# Altium PCB BMS028B.PcbDoc (part 1 of 4) (continued)
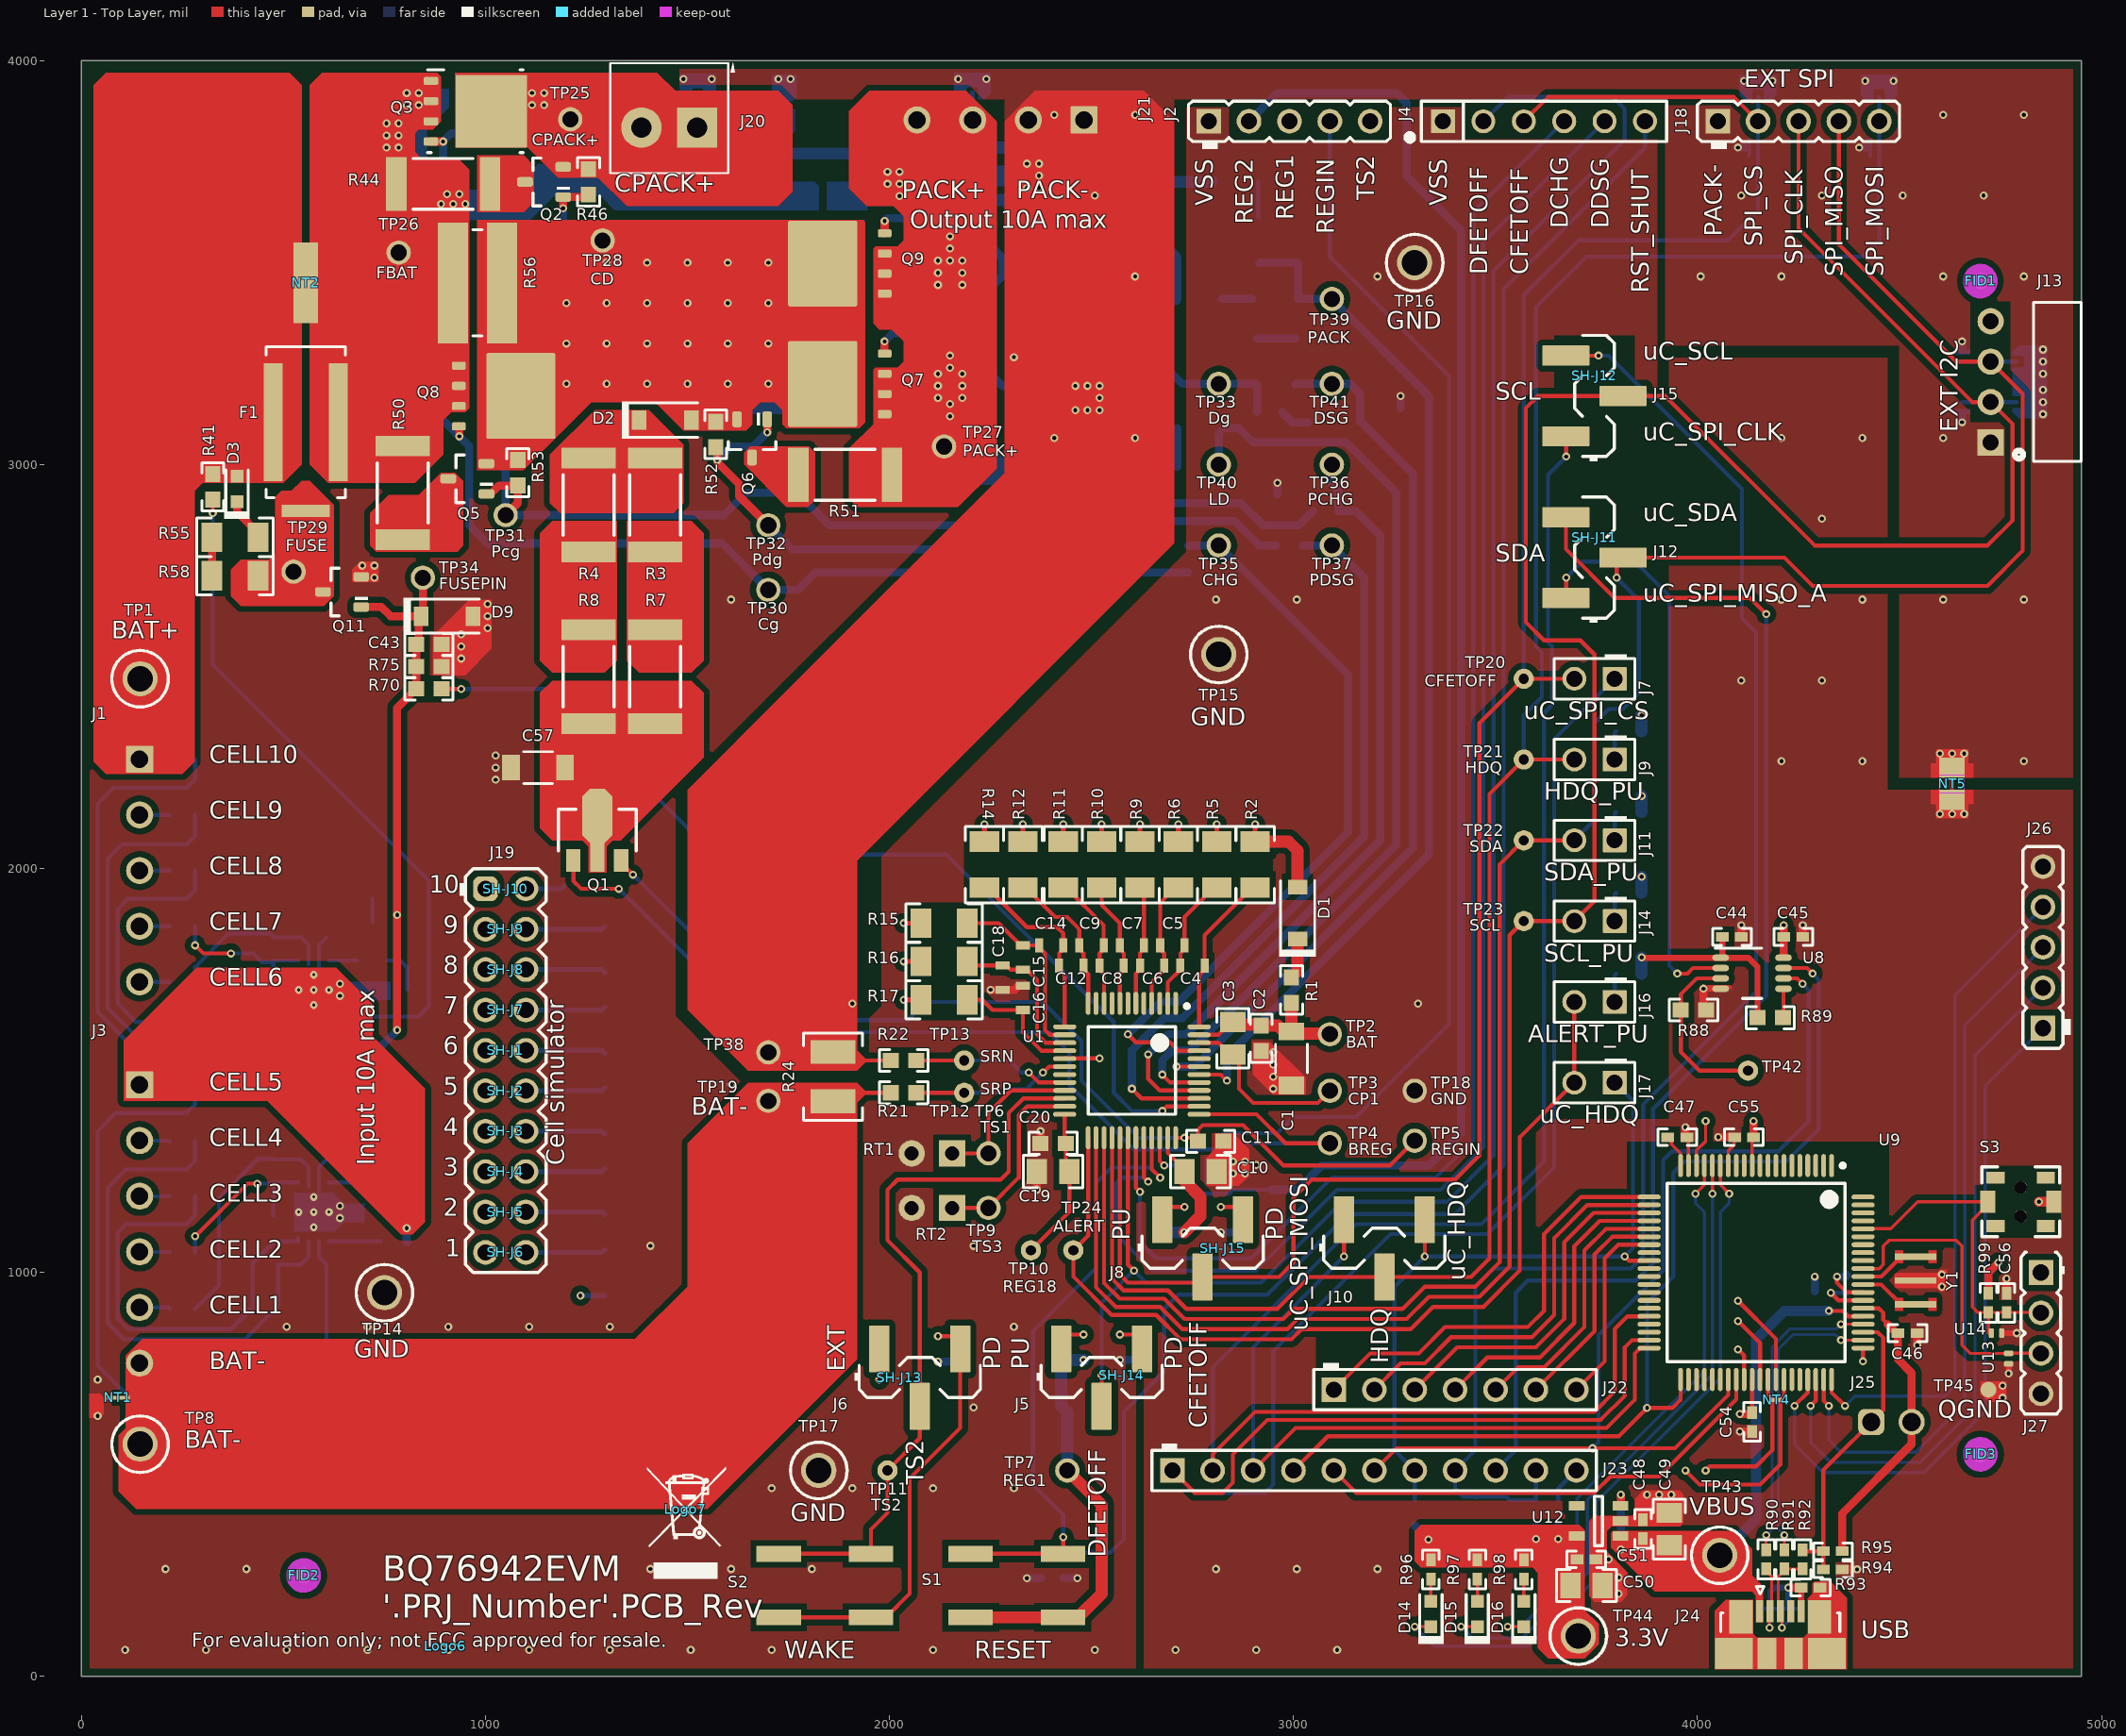
[diagram p0: Layer 1 - Top Layer view]
## Design rules (kind name [scope] priority, off if disabled: settings) (continued)
RoutingVias ThermalPadVias [IsVia and InAnyComponent] p1: holewidth=7.87 width=19.68 viastyle="Through Hole" minholewidth=7.87 minwidth=19.68 maxholewidth=12.99 maxwidth=23.62
RoutingVias [All] p2: holewidth=16 width=34 viastyle="Through Hole" minholewidth=7.87 minwidth=20 maxholewidth=40 maxwidth=65
SilkToBoardRegionClearance [Not ((IsComment or IsDesignator) And (Hide <> 'False')) and not InRegion(1000,500,4000,800)] p1:
SilkToSilkClearance SilkToSilkClearance_Pb-FreeLogo [(HasFootprint('Pb-Free_Overlay_Medium') OR HasFootprint('Pb-Free_Overlay_Small')) vs (HasFootprint('Pb-Free_Overlay_Medium') OR HasFootprint('Pb-Free_Overlay_Small'))] p1: silktosilkclearance=0
SilkToSilkClearance [All] p2: silktosilkclearance=3.9
SilkToSolderMaskClearance SilkToComponentPadClearance [(IsPad or IsFill or IsRegion) and InAnycomponent] p1: minsilkscreentomaskgap=5 clearancetoexposedcopper=TRUE
SilkToSolderMaskClearance "Silk to Solder Mask Opening" [All] p2: minsilkscreentomaskgap=3.94 clearancetoexposedcopper=FALSE
SolderMaskExpansion [All] p1: expansion=1.97
Width [All] p1: maxlimit=100 minlimit=6 preferedwidth=10 checkconnectedcopper=TRUE
15 further rules are at their usual default settings.

## Classes and differential pairs
component class AssemblyNote: ZZ1 ZZ2 ZZ3
component class FiducialMark: FID1 FID2 FID3 FID4 FID5 FID6
component class BMS028B_Hardware: FID1 FID2 FID3 FID4 FID5 FID6 H1 H2 H3 H4 LOGO5 Logo6 Logo7 SH-J1 SH-J2 SH-J3 SH-J4 SH-J5 SH-J6 SH-J7 SH-J8 SH-J9 SH-J10 SH-J11 SH-J12 SH-J13 SH-J14 SH-J15 ZZ1 ZZ2 ZZ3
component class BMS028B_FETs: C23 C24 C25 C26 C27 C28 C29 C30 C31 C32 C33 C34 C35 C36 C37 C38 C39 C40 C41 C42 C43 D3 D4 D5 D6 D7 D8 D9 D10 D11 D12 D13 E5 E6 F1 J20 J21 NT2 Q2 Q3 Q4 Q5 Q6 Q7 Q8 Q9 Q10 Q11 R41 R42 R43 R44 R45 R46 R47 R48 R49 R50 R51 R52 R53 R54 R55 R56 R57 R58 R59 R60 R61 R62 R63 R64 R65 R66 R67 R68 R69 R70 R71 R72 R73 R74 R75 R76 R77 R78 R79 R80 R81 R82 R83 R84 TP25 TP26 TP27 TP28 TP29 TP30 TP31 TP32 TP33 TP34 TP35 TP36 TP37 TP38 TP39 TP40 TP41 U6 U7
component class BMS028B_Interface: C44 C45 C46 C47 C48 C49 C50 C51 C52 C53 C54 C55 C56 D14 D15 D16 J22 J23 J24 J25 J26 J27 NT3 NT4 NT5 R85 R86 R87 R88 R89 R90 R91 R92 R93 R94 R95 R96 R97 R98 R99 S3 TP42 TP43 TP44 TP45 U8 U9 U10 U11 U12 U13 U14 Y1
component class BMS028B_Monitor: C1 C2 C3 C4 C5 C6 C7 C8 C9 C10 C11 C12 C13 C14 C15 C16 C17 C18 C19 C20 C21 C22 C57 D1 D2 J1 J2 J3 J4 J5 J6 NT1 Q1 R1 R2 R3 R4 R5 R6 R7 R8 R9 R10 R11 R12 R13 R14 R15 R16 R17 R18 R19 R20 R21 R22 R23 R24 RT1 RT2 S1 S2 TP1 TP2 TP3 TP4 TP5 TP6 TP7 TP8 TP9 TP10 TP11 TP12 TP13 TP14 TP15 TP16 TP17 TP18 TP19 U1
component class BMS028B_PinConfig: E1 E2 E3 E4 J7 J8 J9 J10 J11 J12 J13 J14 J15 J16 J17 J18 J19 R25 R26 R27 R28 R29 R30 R31 R32 R33 R34 R35 R36 R37 R38 R39 R40 TP20 TP21 TP22 TP23 TP24 U2 U3 U4 U5
component class Header: J2 J4 J5 J6 J7 J8 J9 J10 J11 J12 J14 J15 J16 J17 J18 J19 J22 J23 J25 J26 J27
component class Shunt: SH-J1 SH-J2 SH-J3 SH-J4 SH-J5 SH-J6 SH-J7 SH-J8 SH-J9 SH-J10 SH-J11 SH-J12 SH-J13 SH-J14 SH-J15

## Components (designator, comment, footprint, x,y, rotation, side; value= is the part's Value field where it differs from the comment)
C1 "C3216X7R2A105K160AA" 1206_180 2995,1530 r270 top value=1uF
C2 "GCM1885C2A101JA16D" 0603 2920,1580 r270 top value=100pF
C3 "GCM219R71E474KA55D" 0805_HV 2850,1580 r270 top value=0.47uF
C4 "C1608X7R1H224K080AB" 0603S 2750,1760 r180 top value=0.22uF
C5 "C1608X7R1H224K080AB" 0603S 2700,1810 r180 top value=0.22uF
C6 "C1608X7R1H224K080AB" 0603S 2650,1760 r180 top value=0.22uF
C7 "C1608X7R1H224K080AB" 0603S 2600,1810 r180 top value=0.22uF
C8 "C1608X7R1H224K080AB" 0603S 2550,1760 r180 top value=0.22uF
C9 "C1608X7R1H224K080AB" 0603S 2500,1810 r180 top value=0.22uF
C10 "EMK212B7105KG-T" 0805_HV 2770,1250 r180 top value=1uF
C11 "C0603C223K4RACTU" 0603 2795,1325 r180 top value=0.022uF
C12 "C1608X7R1H224K080AB" 0603S 2450,1760 r180 top value=0.22uF
C13 "EMK212B7105KG-T" 0805_HV 2765,1250 r180 bottom value=1uF
C14 "C1608X7R1H224K080AB" 0603S 2400,1810 r180 top value=0.22uF
C15 "C1608X7R1H224K080AB" 0603S 2330,1780 r270 top value=0.22uF
C16 "C1608X7R1H224K080AB" 0603S 2330,1680 r90 top value=0.22uF
C17 "885012206040" 0603 2430,275 r270 bottom value=0.01uF
C18 "C1608X7R1H224K080AB" 0603S 2280,1730 r270 top value=0.22uF
C19 "EMK212B7225KG-T" 0805_HV 2405,1250 r0 top value=2.2uF
C20 "885012206040" 0603 2405,1320 r180 top value=0.01uF
C21 "C0603C101J5GACTU" 0603 2305,1485 r270 bottom value=100pF
C22 "885012206095" 0603 2250,1485 r90 bottom value=0.1uF
C23 "GCJ188R72A104KA01D" 0603 920,3905 r0 bottom value=0.1uF
C24 "GCJ188R72A104KA01D" 0603 1040,3905 r0 bottom value=0.1uF
C25 "885012206095" 0603 575,1570 r0 bottom value=0.1uF
C26 "885012206095" 0603 455,1570 r0 bottom value=0.1uF
C27 "885012206095" 0603 680,1665 r270 bottom value=0.1uF
C28 "885012206095" 0603 475,1660 r270 bottom value=0.1uF
C29 "GCJ188R72A104KA01D" 0603 1650,3834 r180 bottom value=0.1uF
C30 "885012206095" 0603 475,1800 r270 bottom value=0.1uF
C31 "GCJ188R72A104KA01D" 0603 1740,3890 r270 bottom value=0.1uF
C32 "GCJ188R72A104KA01D" 0603 1835,3660 r180 bottom value=0.1uF
C33 "GCJ188R72A104KA01D" 0603 1955,3660 r180 bottom value=0.1uF
C34 "885012206095" 0603 575,1830 r180 bottom value=0.1uF
C35 "GCJ188R72A104KA01D" 0603 2215,3748.49 r90 bottom value=0.1uF
C36 "885012206095" 0603 575,1020 r0 bottom value=0.1uF
C37 "GCJ188R72A104KA01D" 0603 2305,3715 r180 bottom value=0.1uF
C38 "885012206095" 0603 455,1020 r0 bottom value=0.1uF
C39 "885012206095" 0603 680,1115 r270 bottom value=0.1uF
C40 "885012206095" 0603 475,1110 r270 bottom value=0.1uF
C41 "885012206095" 0603 475,1250 r270 bottom value=0.1uF
C42 "885012206095" 0603 575,1280 r180 bottom value=0.1uF
C43 "885012206095" 0603 860,2555 r180 top value=0.1uF
C44 "885012205037" 0402 4085,1831 r180 top value=0.1uF
C45 "885012205037" 0402 4237,1831 r180 top value=0.1uF
C46 "885012205037" 0402 4520,850 r0 top value=0.1uF
C47 "Capacitor" 0402 3950,1335 r0 top value=0.47uF
C48 "885012205037" 0402 3865,365 r90 top value=0.1uF
C49 "CL21A106KOQNNNG" 0805_HV 3930,365 r90 top value=10uF
C50 "CL21A106KOQNNNG" 0805_HV 3725,225 r0 top value=10uF
C51 "885012205037" 0402 3725,290 r0 top value=0.1uF
C52 "885012205037" 0402 4290,930 r90 bottom value=0.1uF
C53 "Capacitor" 0402 4370,970 r90 bottom value=0.47uF
C54 "885012205037" 0402 4135,630 r270 top value=0.1uF
C55 "Capacitor" 0402 4115,1335 r180 top value=0.47uF
C56 "885012205008" 0402 4765,925 r90 top value=2200pF
C57 "C3216X7R2A105K160AA" 1206_180 1130,2250 r180 top value=1uF
D1 "BAT46W-7-F" SOD-123 3010,1890 r90 top value=100V
D2 "BAT46W-7-F" SOD-123 1445,3110 r0 top value=100V
D3 "150060RS75000" WL-SMCW_RED 385,2940 r90 top value=Red
D4 "MMSZ5246B-7-F" SOD-123 885,3830 r180 bottom value=16V
D5 "MMSZ5246B-7-F" SOD-123 2215,3470 r180 bottom value=16V
D6 "MMSZ5246B-7-F" SOD-123 2215,3195 r180 bottom value=16V
D7 "BAS40W-7-F" SOT-323 725,1315 r90 bottom value=40V
D8 "1N4148W-7-F" SOD-123 2480,3230 r270 bottom value=100V
D9 "MMSZ4697T1G" SOD-123 905,2625 r0 top value=10V
D10 "BAT46W-7-F" SOD-123 3100,3110 r180 bottom value=100V
D11 "BAT46W-7-F" SOD-123 3265,3075 r90 bottom value=100V
D12 "BAT46W-7-F" SOD-123 3010,3565 r90 bottom value=100V
D13 "BAT46W-7-F" SOD-123 2960,2990 r270 bottom value=100V
D14 "150060VS75000" WL-SMCW_GREEN 3340,155 r90 top value=Green
D15 "150060VS75000" WL-SMCW_GREEN 3455,155 r90 top value=Green
D16 "150060VS75000" WL-SMCW_GREEN 3570,155 r90 top value=Green
E1 "Spark Gap" SPARK_GAP2 4150,3930 r0 bottom
E2 "Spark Gap" SPARK_GAP2 4810,3155 r270 bottom
E3 "Spark Gap" SPARK_GAP2 4450,3930 r0 bottom
E4 "Spark Gap" SPARK_GAP2 4810,3255 r270 bottom
E5 "Spark Gap" SPARK_GAP2 1525,3932 r0 bottom
E6 "Spark Gap" SPARK_GAP2 2205,3935 r0 bottom
F1 "SFK-3030" FUSE_SFK-xx30x 555,3105 r90 top
FID1 "Fiducial" Fiducial10-20 4700,3454.34 r0 top
FID2 "Fiducial" Fiducial10-20 550,250 r0 top
FID3 "Fiducial" Fiducial10-20 4700,550 r0 top
FID4 "Fiducial" Fiducial10-20 550,250 r180 bottom
FID5 "Fiducial" Fiducial10-20 4700,3454.34 r180 bottom
FID6 "Fiducial" Fiducial10-20 4700,550 r180 bottom
H1 "SJ-5303 (CLEAR)" Bumpon_SJ5003Transparent 250,3750 r180 bottom
H2 "SJ-5303 (CLEAR)" Bumpon_SJ5003Transparent 4700,3750 r180 bottom
H3 "SJ-5303 (CLEAR)" Bumpon_SJ5003Transparent 250,250 r180 bottom
H4 "SJ-5303 (CLEAR)" Bumpon_SJ5003Transparent 4700,250 r180 bottom
J1 "OSTTE050161" FP-OSTTE050161_HDR5-MFG 140,1995 r270 top
J2 "PEC05SAAN" Sullins_PxC05SAAN 2990,3850 r0 top
J3 "OSTTE060161" FP-OSTTE060161_HDR6-MFG 140,1120 r270 top
J4 "PEC06SAAN" Sullins_PEC06SAAN 3620,3850 r0 top
J5 "87898-0304" Molex_87898-0304 2525,740 r0 top
J6 "87898-0304" Molex_87898-0304 2075,740 r0 top
J7 "PEC02SAAN" CONN_PEC02SAAN 3745,2470 r180 top
J8 "87898-0304" Molex_87898-0304 2775,1060 r0 top
J9 "PEC02SAAN" CONN_PEC02SAAN 3745,2270 r180 top
J10 "87898-0304" Molex_87898-0304 3225,1060 r0 top
J11 "PEC02SAAN" CONN_PEC02SAAN 3745,2070 r180 top
J12 "87898-0304" Molex_87898-0304 3745,2770 r90 top
J13 "22/05/3041" CONN_22-05-3041 4950,3205 r90 top
J14 "PEC02SAAN" CONN_PEC02SAAN 3745,1870 r180 top
J15 "87898-0304" Molex_87898-0304 3745,3170 r90 top
J16 "PEC02SAAN" CONN_PEC02SAAN 3745,1670 r180 top
J17 "PEC02SAAN" CONN_PEC02SAAN 3745,1470 r180 top
J18 "PEC05SAAN" Sullins_PxC05SAAN 4250,3850 r0 top
J19 "PEC10DAAN" SULLINS_PEC10DAAN 1050,1500 r0 top
J20 "ED555/2DS" TERM_BLK_ED555-2DS 1524.01,3834.5 r180 top
J21 "OSTTE040161" FP-OSTTE040161_HDR4-MFG 2275.01,3857.5 r180 top
J22 "PBC07SAAN" Sullins_xxC07SAAN 3400,710 r0 top
J23 "PBC11SAAN" Sullins_xxC11SAAN 3200,510 r0 top
J24 "CONN_USB_5Pos-6Shld" Molex_47346-1001 4205,0 r0 top
J25 "61300211121" WURTH_61300211121 4480,630 r0 top
J26 "PEC05SAAN" Sullins_PxC05SAAN 4855,1805 r90 top
J27 "22284043" Molex_0022284043 4850,850 r270 top
Logo6 "FCC disclaimer" FCC_disclaimer 900,75 r0 top
Logo7 "WEEE logo" WEEE_Minimum 1495.16,414.26 r0 top
NT1 "Net-Tie" Net-Tie_10milWide_30milLong 90,690 r0 top net-tie
NT2 "Net-Tie" Net-Tie_50milWide_30milLong 555,3450 r180 top net-tie
NT3 "Net-Tie" Net-Tie_10mil 3450,445 r0 bottom net-tie
NT4 "Net-Tie" Net-Tie_10mil 4195,685 r0 top net-tie
NT5 "Net-Tie" Net-Tie_0805_HV_NoOverlay 4630,2210 r90 top net-tie
Q1 "FCX495TA" SOT-89-3 1276.65,2095 r90 top value="150 V"
Q2 "ZXMP10A13FTA" SOT-23 1145,3700 r180 top value=-100V
Q3 "CSD19534Q5A" DQJ0008A 975,3875 r0 top value=100V
Q4 "MMBTA56LT1G" SOT-23 720,1820 r90 bottom value="80 V"
Q5 "ZXMP10A13FTA" SOT-23 955,2965 r180 top value=-100V
Q6 "ZXMP10A13FTA" SOT-23 1660,3065 r270 top value=-100V
Q7 "CSD19532Q5B" DNK0008A 1877,3200 r180 top value=100V
Q8 "CSD19532Q5B" DNK0008A 1045,3170 r0 top value=100V
Q9 "CSD19532Q5B" DNK0008A 1877,3498 r180 top value=100V
Q10 "MOSFET_N_D3G1S2" SOT-323 2215,3365 r90 bottom value=60V
Q11 "PMV213SN,215" SOT-23 645,2685 r180 top value=100V
R1 "Resistor" 0603 2995,1699.19 r90 top value=100
R2 "CRCW120620R0FKEA" 1206 2905,2010 r270 top value=20.0
R3 "CRCW2512150RJNEG" 2512 1420,2900 r90 top value=150
R4 "CRCW2512150RJNEG" 2512 1255,2900 r90 top value=150
R5 "CRCW120620R0FKEA" 1206 2810,2010 r270 top value=20.0
R6 "CRCW120620R0FKEA" 1206 2715,2010 r270 top value=20.0
R7 "CRCW2512150RJNEG" 2512 1420,2475 r90 top value=150
R8 "CRCW2512150RJNEG" 2512 1255,2475 r90 top value=150
R9 "CRCW120620R0FKEA" 1206 2620,2010 r270 top value=20.0
R10 "CRCW120620R0FKEA" 1206 2525,2010 r270 top value=20.0
R11 "CRCW120620R0FKEA" 1206 2430,2010 r270 top value=20.0
R12 "CRCW120620R0FKEA" 1206 2330,2010 r270 top value=20.0
R13 "CRCW06030000Z0EA" 0603 2795,1345 r0 bottom value=0
R14 "CRCW120620R0FKEA" 1206 2235,2010 r270 top value=20.0
R15 "CRCW120620R0FKEA" 1206 2135,1865 r0 top value=20.0
R16 "CRCW120620R0FKEA" 1206 2135,1770 r0 top value=20.0
R17 "CRCW120620R0FKEA" 1206 2135,1675 r0 top value=20.0
R18 "CRCW060310K0JNEA" 0603 2375,275 r270 bottom value=10k
R19 "CRCW060310K0JNEA" 0603 2425,815 r90 bottom value=10k
R20 "CRCW0603100KJNEA" 0603 2625.01,815.01 r90 bottom value=100k
R21 "Resistor" 0603 2035,1445 r0 top value=100
R22 "Resistor" 0603 2035,1525 r0 top value=100
R23 "CRCW060310K0JNEA" 0603 2175,810.87 r90 bottom value=10k
R24 "Resistor" 1210M 1860,1485 r270 top value=0.001
R25 "CRCW060310K0JNEA" 0603 2675,1130.87 r90 bottom value=10k
R26 "CRCW0603100KJNEA" 0603 2875,1130.87 r90 bottom value=100k
R27 "CRCW060310K0JNEA" 0603 3830,2340 r180 bottom value=10k
R28 "CRCW060310K0JNEA" 0603 3830,2140 r180 bottom value=10k
R29 "CRCW060310K0JNEA" 0603 3830,1940 r180 bottom value=10k
R30 "CRCW1206200RFKEA" 1206 1195,1900 r90 bottom value=200
R31 "CRCW060310K0JNEA" 0603 3830,1740 r180 bottom value=10k
R32 "CRCW1206200RFKEA" 1206 1295,1800 r90 bottom value=200
R33 "CRCW1206200RFKEA" 1206 1195,1700 r90 bottom value=200
R34 "CRCW1206200RFKEA" 1206 1295,1600 r90 bottom value=200
R35 "CRCW1206200RFKEA" 1206 1195,1500 r90 bottom value=200
R36 "CRCW1206200RFKEA" 1206 1295,1400 r90 bottom value=200
R37 "CRCW1206200RFKEA" 1206 1195,1300 r90 bottom value=200
R38 "CRCW1206200RFKEA" 1206 1295,1200 r90 bottom value=200
R39 "CRCW1206200RFKEA" 1206 1195,1100 r90 bottom value=200
R40 "CRCW1206200RFKEA" 1206 1295,1000 r90 bottom value=200
R41 "Resistor" 0603 325,2945 r270 top value=100
R42 "Resistor" 0603 250,2270 r0 bottom value=1.0k
R43 "Resistor" 0603 250,2132.8 r0 bottom value=1.0k
R44 "CRCW25124K70JNEG" 2512 895,3695 r0 top value=4.7k
R45 "Resistor" 0603 250,1995 r0 bottom value=1.0k
R46 "Resistor" 0603 1255,3700 r270 top value=10Meg
R47 "Resistor" 0603 250,1857.2 r0 bottom value=1.0k
R48 "Resistor" 0603 250,1719.41 r0 bottom value=1.0k
R49 "CRCW060320K0JNEA" 0603 775,1700 r0 bottom value=20k
R50 "CRCW25123K90JNEG" 2512 795,2930 r270 top value=3.9k
R51 "CRCW25123K90JNEG" 2512 1890,2975 r0 top value=3.9k
R52 "Resistor" 0603 1570,3075 r270 top value=10Meg
R53 "Resistor" 0603 1080,2980 r270 top value=10Meg
R54 "CRCW060336K0JNEA" 0603 750,1925 r0 bottom value=36k
R55 "CRCW12063K90JNEA" 1206 380,2820 r0 top value=3.9k
R56 "Resistor" 2512_WIDE_VISHAY 980,3450 r0 top value=0
R57 "Resistor" 0603 775,1075 r180 bottom value=100
R58 "CRCW12063K90JNEA" 1206 380,2725 r180 top value=3.9k
R59 "Resistor" 0603 865,3755 r0 bottom value=10Meg
R60 "Resistor" 0603 2215,3545 r0 bottom value=10Meg
R61 "Resistor" 0603 2215,3270 r0 bottom value=10Meg
R62 "Resistor" 0603 250,1464.49 r0 bottom value=1.0k
R63 "Resistor" 0603 715,1225 r0 bottom value=5.1k
R64 "Resistor" 0603 250,1325 r0 bottom value=1.0k
R65 "CRCW060351R0JNEA" 0603 2090,3325 r0 bottom value=51
R66 "CRCW06030000Z0EA" 0603 2090,3610 r0 bottom value=0
R67 "Resistor" 0603 2405,3231.51 r90 bottom value=10k
R68 "Resistor" 0603 250,1190 r0 bottom value=1.0k
R69 "Resistor" 0603 250,1050 r0 bottom value=1.0k
R70 "Resistor" 0603 860,2445 r0 top value=5.1k
R71 "Resistor" 0603 250,910 r0 bottom value=1.0k
R72 "CRCW06035K10JNEA" 0603 2740,2765 r270 bottom value=5.1k
R73 "CRCW06035K10JNEA" 0603 3080,2885 r180 bottom value=5.1k
R74 "CRCW06035K10JNEA" 0603 2989.51,2800 r180 bottom value=5.1k
R75 "Resistor" 0603 860,2500 r180 top value=20k
R76 "CRCW12065K10JNEA" 1206 2910,3255 r270 bottom value=5.1k
R77 "CRCW06037K50JNEA" 0603 2940,3130 r180 bottom value=7.5k
R78 "CRCW12065K10JNEA" 1206 3005,3255 r90 bottom value=5.1k
R79 "CRCW12065K10JNEA" 1206 2955,3410 r0 bottom value=5.1k
R80 "CRCW12065K10JNEA" 1206 2765,3410 r0 bottom value=5.1k
R81 "CRCW12065K10JNEA" 1206 2915,3555 r270 bottom value=5.1k
R82 "CRCW12065K10JNEA" 1206 2855,3700 r0 bottom value=5.1k
R83 "CRCW12065K10JNEA" 1206 2770,3090 r0 bottom value=5.1k
R84 "CRCW12065K10JNEA" 1206 2655,2995 r0 bottom value=5.1k
R85 "CRCW060310K0JNEA" 0603 3655,405 r90 bottom value=10k
R86 "CRCW060310K0JNEA" 0603 3600,405 r90 bottom value=10k
R87 "CRCW060310K0JNEA" 0603 3300,405 r90 bottom value=10k
R88 "CRCW06030000Z0EA" 0603 3990,1650 r180 top value=0
R89 "CRCW06030000Z0EA" 0603 4180,1631 r0 top value=0
R90 "Resistor" 0402 4170,290 r90 top value=33
R91 "Resistor" 0402 4215,290 r90 top value=33
R92 "Resistor" 0402 4260,290 r270 top value=2.0k
R93 "Resistor" 0402 4280,220 r0 top value=10k
R94 "Resistor" 0402 4335,265 r180 top value=1.0Meg
R95 "Resistor" 0402 4335,310 r0 top value=1.0Meg
R96 "Resistor" 0402 3340,265 r90 top value=330
R97 "Resistor" 0402 3455,265 r90 top value=330
R98 "Resistor" 0402 3570,265 r90 top value=330
R99 "Resistor" 0402 4720,925 r90 top value=10k
RT1 "Thermistor" THERMISTOR_103AT-2 2105,1295 r180 top value=10k
RT2 "Thermistor" THERMISTOR_103AT-2 2105,1160 r180 top value=10k
S1 "SW_KST221JLFS" SW_KST221JLFS 2315,225 r0 top
S2 "SW_KST221JLFS" SW_KST221JLFS 1840,225 r180 top
S3 "PTS820 J20M SMTR LFS" SW_PTS820 4800,1175 r180 top
SH-J1 "SNT-100-BK-G" SNT-100-BK-G 1050,1550 r180 top value=1x2
SH-J2 "SNT-100-BK-G" SNT-100-BK-G 1050,1450 r180 top value=1x2
SH-J3 "SNT-100-BK-G" SNT-100-BK-G 1050,1350 r180 top value=1x2
SH-J4 "SNT-100-BK-G" SNT-100-BK-G 1050,1250 r180 top value=1x2
SH-J5 "SNT-100-BK-G" SNT-100-BK-G 1050,1150 r180 top value=1x2
SH-J6 "SNT-100-BK-G" SNT-100-BK-G 1050.01,1050.01 r180 top value=1x2
SH-J7 "SNT-100-BK-G" SNT-100-BK-G 1050,1650 r180 top value=1x2
SH-J8 "SNT-100-BK-G" SNT-100-BK-G 1050,1750 r180 top value=1x2
SH-J9 "SNT-100-BK-G" SNT-100-BK-G 1050,1850 r180 top value=1x2
SH-J10 "SNT-100-BK-G" SNT-100-BK-G 1050,1950 r180 top value=1x2
SH-J11 "SNT-100-BK-G" SNT-100-BK-G 3745,2820 r90 top value=1x2
SH-J12 "SNT-100-BK-G" SNT-100-BK-G 3745,3220 r90 top value=1x2
SH-J13 "SNT-100-BK-G" SNT-100-BK-G 2025,740 r180 top value=1x2
SH-J14 "SNT-100-BK-G" SNT-100-BK-G 2575,745 r180 top value=1x2
SH-J15 "SNT-100-BK-G" SNT-100-BK-G 2825,1060 r180 top value=1x2
TP1 "TESTPOINT" Keystone5010 145,2470 r0 top
TP2 "TESTPOINT" TP_VIA_060RND040 3090,1590 r0 top
TP3 "TESTPOINT" TP_VIA_060RND040 3090,1450 r0 top
TP4 "TESTPOINT" TP_VIA_060RND040 3090,1320 r0 top
TP5 "TESTPOINT" TP_VIA_060RND040 3300,1326.26 r0 top
TP6 "TESTPOINT" TP_VIA_060RND040 2245,1295 r0 top
TP7 "TESTPOINT" TP_VIA_060RND040 2440,510 r0 top
TP8 "TESTPOINT" Keystone5011 145,575 r0 top
TP9 "TESTPOINT" TP_VIA_060RND040 2245,1160 r90 top
TP10 "TESTPOINT" TP_50MIL-25MILHOLE 2350,1055 r90 top
TP11 "TESTPOINT" TP_50MIL-25MILHOLE 1995,510 r0 top
TP12 "TESTPOINT" TP_50MIL-25MILHOLE 2185,1445 r90 top
TP13 "TESTPOINT" TP_50MIL-25MILHOLE 2185,1525 r90 top
TP14 "5006" Keystone5006 750,950 r0 top
TP15 "5006" Keystone5006 2815,2530 r0 top
TP16 "5006" Keystone5006 3300,3500 r0 top
TP17 "5006" Keystone5006 1825,510 r0 top
TP18 "TESTPOINT" TP_VIA_060RND040 3300,1450 r90 top
TP19 "TESTPOINT" TP_VIA_060RND040 1700,1425 r90 top
TP20 "TESTPOINT" TP_50MIL-25MILHOLE 3570,2470 r90 top
TP21 "TESTPOINT" TP_50MIL-25MILHOLE 3570,2270 r90 top
TP22 "TESTPOINT" TP_50MIL-25MILHOLE 3570,2070 r90 top
TP23 "TESTPOINT" TP_50MIL-25MILHOLE 3570,1870 r90 top
TP24 "TESTPOINT" TP_50MIL-25MILHOLE 2455,1055 r90 top
TP25 "TESTPOINT" TP_VIA_060RND040 1210,3855 r90 top
TP26 "TESTPOINT" TP_VIA_060RND040 785,3525 r90 top
TP27 "TESTPOINT" TP_VIA_060RND040 2135,3045 r90 top
TP28 "TESTPOINT" TP_VIA_060RND040 1290,3555 r90 top
TP29 "TESTPOINT" TP_VIA_060RND040 525,2735 r90 top
TP30 "TESTPOINT" TP_VIA_060RND040 1700,2690 r90 top
TP31 "TESTPOINT" TP_VIA_060RND040 1050,2875 r90 top
TP32 "TESTPOINT" TP_VIA_060RND040 1700,2850 r90 top
TP33 "TESTPOINT" TP_VIA_060RND040 2815,3200 r90 top
TP34 "TESTPOINT" TP_VIA_060RND040 845,2720 r90 top
TP35 "TESTPOINT" TP_VIA_060RND040 2815,2800 r90 top
TP36 "TESTPOINT" TP_VIA_060RND040 3095,3000 r90 top
TP37 "TESTPOINT" TP_VIA_060RND040 3095,2800 r90 top
TP38 "TESTPOINT" TP_VIA_060RND040 1700,1545 r90 top
TP39 "TESTPOINT" TP_VIA_060RND040 3095,3410 r90 top
TP40 "TESTPOINT" TP_VIA_060RND040 2815,3000 r90 top
TP41 "TESTPOINT" TP_VIA_060RND040 3095,3200 r90 top
TP42 "TESTPOINT" TP_50MIL-25MILHOLE 4125,1500 r90 top
TP43 "5005" Keystone5005 4055,300 r0 top value=Red
TP44 "5005" Keystone5005 3705,100 r0 top value=Red
TP45 "TESTPOINT" TP_SM_1MM 4720,710 r90 top
U1 "BQ76942PFBR" PFB0048A_N 2600,1500 r270 top locked
U2 "TPD1E10B06DPYR" DPY0002A#1 4137,3785 r180 bottom
U3 "TPD1E10B06DPYR" DPY0002A#1 4655,3142 r270 bottom
U4 "TPD1E10B06DPYR" DPY0002A#1 4437,3785 r180 bottom
U5 "TPD1E10B06DPYR" DPY0002A#1 4655,3268 r90 bottom
U6 "BQ771807DPJR" DPJ0008A 575,1700 r90 bottom
U7 "BQ771807DPJR" DPJ0008A 575,1150 r90 bottom
U8 "SN74LVC2T45DCTR" DCT0008A_N 4135,1741 r0 top
U9 "CMP-0038965-1" PN0080A_N 4145,1000 r270 top
U10 "TPD1E10B06DPYT" DPY0002A#1 4180,160 r90 bottom
U11 "TPD1E10B06DPYT" DPY0002A#1 4225,160 r90 bottom
U12 "CMP-0035539-1" DBV0005A_N 3755,385 r180 top
U13 "TPD1E10B06DPYT" DPY0002A#2 4770,787 r270 top
U14 "TPD1E10B06DPYT" DPY0002A#2 4740,850 r0 top
Y1 "CSTCR4M00G55B-R0" Murata_CSTCR_G 4540,980 r90 top
ZZ1 "These assemblies are ESD sensitive, ESD precautions shall be observed." AssemblyNote 200,4400 r0 top
ZZ2 "These assemblies must be clean and free from flux and all contaminants. Use of no clean flux is not acceptable." AssemblyNote 200,4300 r0 top
ZZ3 "These assemblies must comply with workmanship standards IPC-A-610 Class 2, unless otherwise specified." AssemblyNote 200,4200 r0 top

## Footprints (in the part's own frame and the unit in brackets; to place one, negate y for a bottom-side part, rotate by r counter-clockwise, add the part's x,y. Pads: shape width x height; smd on the part's side, far side on the other; paste and mask are expansions set on the pad)
0402 [mm] "0402 from SM-752 data"
  rect 0.8x0.6 smd: 1(-0.6,0) 2(0.6,0)
  silkscreen extent -1.22,-0.52 1.22,0.52, body extent -0.55,-0.3 0.55,0.3, height 0.6
0603 [mm] "0603 from SM-752 data"
  rect 1x0.95 smd: 1(-0.8,0) 2(0.8,0)
  silkscreen extent -1.52,-0.69 1.52,0.69, body extent -0.87,-0.47 0.87,0.47, height 1
0603S [mil]
  rect 20x35 smd: 1(-30,0) 2(30,0)
  body extent -34,-19 34,19, height 39
0805_HV [mil] "0805 with 30mil clearance between pads"
  rect 50x63 smd: 1(-40,0) 2(40,0)
  silkscreen extent -74,-40 74,40, body extent -43,-29 43,29, height 57
1206 [mm] "1206 from SM-752 data"
  rect 1.3x1.85 smd: 1(-1.45,0) 2(1.45,0)
  silkscreen extent -2.4,-1.21 2.4,1.21, body extent -1.7,-0.9 1.7,0.9, height 1.35
1206_180 [mm] "1206_180"
  rect 1.1x1.6 smd: 1(-1.7,0) 2(1.7,0)
  silkscreen extent -0.9,-1 0.9,1, body extent -1.75,-0.95 1.75,0.95, height 1.8
1210M [mm] "1210 from SM-752 data"
  rect 1.5x2.8 smd: 1(-1.55,0) 2(1.55,0)
  silkscreen extent -2.75,-1.85 2.75,1.85, body extent -1.7,-1.35 1.7,1.35, height 1.35
2512 [mm] "Chip Resistor, Body 6.3x3.2mm, IPC Medium Density"
  rect 1.3x3.4 smd: 1(-2.95,0) 2(2.95,0)
  silkscreen extent -1.9,-1.6 1.9,1.6, body extent -3.22,-1.67 3.22,1.67, height 0.71
2512_WIDE_VISHAY [mm] "Vishay recommended land pattern"
  rect 1.9x7.6 smd: 1(-1.55,0) 2(1.55,0)
  silkscreen extent -0.3,-3.32 0.3,3.35, body extent -1.7,-3.25 1.7,3.25, height 0.9
AssemblyNote [mil] "Assembly Note"
Bumpon_SJ5003Transparent [mil] "3M Hemispherical Bumpon transparent"
  round 1 on Mech4: 0(0,0)
  silkscreen extent -228,-228 228,228, body extent -219,-219 219,219, height 197
CONN_22-05-3041 [mm] "MOLEX"
  rect 1.65x1.65 hole 1.02: 1(-3.81,5.7)
  round 1.65 hole 1.02: 2(-1.27,5.7) 3(1.27,5.7) 4(3.81,5.7)
  silkscreen extent -5,0 5,4.18, body extent -5,-6.91 5,6.02, height 6.37
CONN_PEC02SAAN [mm] "SULLINS"
  rrect7% 1.5x1.5 hole 1.016: 1(-1.27,0)
  round 1.5 hole 1.016: 2(1.27,0)
  silkscreen extent -2.54,-1.52 2.54,1.27, body extent -2.54,-1.27 2.54,1.27, height 8.38
DBV0005A_N [mm] "SOT23, 5-Leads, Body 2.9x1.6mm, Pitch 0.95mm, Lead Span 2.8mm, IPC Medium Density"
  rrect17% 1x0.6 smd: 1(-1.375,0.95) 2(-1.375,0) 3(-1.375,-0.95) 4(1.375,-0.95) 5(1.375,0.95)
  silkscreen extent -0.25,-1.55 0.25,1.55, body extent -1.42,-1.46 1.42,1.46, height 1.09
DCT0008A_N [mm] "TSOP, 8-Leads, Body 3x2.8mm, Pitch 0.65mm, IPC Medium Density"
  oval 1.05x0.4 smd: 1(-1.975,0.975) 2(-1.975,0.325) 3(-1.975,-0.325) 4(-1.975,-0.975) 5(1.975,-0.975) 6(1.975,-0.325) 7(1.975,0.325) 8(1.975,0.975)
  silkscreen extent -2.32,-1.57 0.6,1.58, body extent -2.01,-1.47 2.01,1.48, height 1.3
DNK0008A [mm] "SON, 8-Leads, Body 5x6mm"
  rrect39% 0.86x0.51 smd paste-0.05 mask-0.05: 1(-2.82,1.905) 2(-2.82,0.635) 3(-2.82,-0.635) 4(-2.82,-1.905) 5(2.82,-1.905) 6(2.82,-0.635) 7(2.82,0.635) 8(2.82,1.905)
  rrect40% 0.25x0.555 on Top Paste: 9(-0.83,2.372) 9(-0.83,-2.372)
  rrect40% 0.25x0.555 on Top Solder: 9(-0.83,2.372) 9(-0.83,-2.372)
  rrect11% 0.95x1.13 on Top Paste: 9(-0.535,1.33) 9(-0.535,0) 9(-0.535,-1.33) 9(0.615,1.33) 9(0.615,0) 9(0.615,-1.33) 9(1.765,-1.33) 9(1.765,0) 9(1.765,1.33)
  rrect3% 3.58x4 on Top Solder: 9(0.75,0)
  rrect5% 4.34x5.4 smd paste-3 mask-3: 9(1.08,0)
  body extent -3.05,-2.55 3.05,2.55, height 1.06
DPJ0008A [mm]
  oval 0.7x0.25 smd: 1(-1.85,0.95) 2(-1.85,0.325) 3(-1.85,-0.325) 4(-1.85,-0.975) 5(1.85,-0.975) 6(1.85,-0.325) 7(1.85,0.325) 8(1.85,0.95)
  rect 2.4x2.4 smd paste-1.2: 9(0,0)
  silkscreen extent -2.15,-1.65 2.15,1.65, body extent -2.05,-1.55 2.05,1.55, height 0.81
DPY0002A#1 [mm] "X1SON-2"
  rrect57% 0.35x0.6 smd paste-0.5 mask-0.05: 1(-0.325,0) 2(0.325,0)
  rrect33% 0.3x0.5 on Bottom Paste: 1S(-0.35,0) 2S(0.35,0)
  body extent -0.5,-0.3 0.5,0.3, height 0.45
DPY0002A#2 [mm] "X1SON-2"
  rrect57% 0.35x0.6 smd paste-0.5 mask-0.05: 1(-0.325,0) 2(0.325,0)
  rrect33% 0.3x0.5 on Top Paste: 1S(-0.35,0) 2S(0.35,0)
  body extent -0.5,-0.3 0.5,0.3, height 0.45
DQJ0008A [mm] "SMD, 8-Leads, Body 5.75x4.9mm"
  rrect39% 0.91x0.51 smd paste-0.05 mask-0.05: 1(-2.795,1.905) 2(-2.795,0.635) 3(-2.795,-0.635) 4(-2.795,-1.905) 5(2.795,-1.905) 6(2.795,-0.635) 7(2.795,0.635) 8(2.795,1.905)
  rrect8% 1.58x1.25 on Top Paste: 9(-0.38,-1.45) 9(-0.38,0) 9(-0.38,1.45) 9(1.4,-1.45) 9(1.4,0) 9(1.4,1.45)
  rrect3% 3.48x4.47 on Top Solder: 9(0.55,0)
  rrect2% 4.49x4.57 smd paste-2.5 mask-2.5: 9(1.005,0)
  silkscreen extent -3,-2.6 3,2.6, body extent -3.13,-2.45 3.13,2.45, height 1.15
FCC_disclaimer [mil]
Fiducial10-20 [mm]
  round 1 smd mask+0.5: 1(0,0)
  Layer 1 - Top Layer keep-out circle w1.178: c0,0 r0.5
FP-OSTTE040161_HDR4-MFG [mm]
  rrect6% 1.7x1.7 hole 1.1 paste-1000 mask+0: 1(-5.25,0.1)
  round 1.7 hole 1.1 paste-1000 mask+0: 2(-1.75,0.1) 3(1.75,0.1) 4(5.25,0.1)
  body extent -7.68,-3.75 7.68,3.75, height 0.25
FP-OSTTE050161_HDR5-MFG [mm]
  rrect6% 1.7x1.7 hole 1.1 paste-1000 mask+0: 1(-7,0.1)
  round 1.7 hole 1.1 paste-1000 mask+0: 2(-3.5,0.1) 3(0,0.1) 4(3.5,0.1) 5(7,0.1)
  body extent -9.43,-3.75 9.43,3.75, height 0.25
FP-OSTTE060161_HDR6-MFG [mm]
  rrect6% 1.7x1.7 hole 1.1 paste-1000 mask+0: 1(-8.75,0.1)
  round 1.7 hole 1.1 paste-1000 mask+0: 2(-5.25,0.1) 3(-1.75,0.1) 4(1.75,0.1) 5(5.25,0.1) 6(8.75,0.1)
  body extent -11.17,-3.75 11.17,3.75, height 0.25
FUSE_SFK-xx30x [mm] "Fuse"
  rect 7.4x1.2 smd paste+0 mask+0.07: 1(0,2.05) 3(0,-2.05)
  rect 0.75x3 smd paste+0 mask+0.07: 2(-5.575,0)
  Layer 1 - Top Layer region: -5.2,1.5 -5.2,-1.5 -3.8,-0.35 -3.8,0.35
  silkscreen extent -4.75,-2.5 4.75,2.5, body extent -4.75,-2.5 4.75,2.5, height 2
Keystone5005 [mil] "Keystone Compact loops"
  round 87 hole 63: 1(0,0)
  silkscreen extent -70,-70 70,70, body extent -63,-63 62,63, height 225
Keystone5006 [mil] "Keystone Compact loops"
  round 87 hole 63: 1(0,0)
  silkscreen extent -70,-70 70,70, body extent -63,-63 62,63, height 225
Keystone5010 [mil] "Keystone Multipurpose loops"
  round 87 hole 63: 1(0,0)
  silkscreen extent -70,-70 70,70, body extent -63,-63 63,62, height 319
Keystone5011 [mil] "Keystone Multipurpose loops"
  round 87 hole 63: 1(0,0)
  silkscreen extent -70,-70 70,70, body extent -63,-63 63,62, height 319
Molex_47346-1001 [mm] "Receptacle, 0.65mm, 5x1, R/A, SMT"
  rect 0.45x1.38 smd: 1(-1.3,4.11) 2(-0.65,4.11) 3(0,4.11) 4(0.65,4.11) 5(1.3,4.11)
  rect 1.475x2.1 smd: 6(-2.462,3.75) 7(2.462,3.75)
  rect 2.375x1.95 smd: 8(-2.913,1.45) 11(2.913,1.45)
  rect 1.175x1.95 smd: 9(-0.837,1.45) 10(0.837,1.45)
  silkscreen extent -3.75,2.83 3.75,5.67, body extent -3.9,-0.7 3.9,4.3, height 2.68
Molex_87898-0304 [mm] "Header, 2.54mm, 3x1, SMT"
  rrect8% 1.27x2.96 smd: 1(-2.54,1.8) 2(0,-1.8) 3(2.54,1.8)
  silkscreen extent -4.1,-1.26 3.81,1.25, body extent -3.81,-2.4 3.81,2.4, height 9.65
Molex_0022284043 [mm] "Header, 2.54mm, 4x1, TH"
  rect 1.55x1.55 hole 1.02: 1(-3.81,0)
  round 1.55 hole 1.02: 2(-1.27,0) 3(1.27,0) 4(3.81,0)
  silkscreen extent -5.08,-1.24 5.08,1.5, body extent -5.08,-1.24 5.08,1.24, height 8.4
Murata_CSTCR_G [mm] "Murata"
  rect 0.4x2.6 smd: 1(-1.5,0) 2(0,0) 3(1.5,0)
  Layer 1 - Top Layer region: -0.4,0.8 0.4,0.8 0.4,1.3 -0.4,1.3
  Layer 1 - Top Layer region: -0.4,-1.301 -0.4,-0.801 0.4,-0.801 0.4,-1.301
  Layer 1 - Top Layer region: -1.9,0.8 -1.1,0.8 -1.1,1.3 -1.9,1.3
  Layer 1 - Top Layer region: -1.9,-1.301 -1.9,-0.801 -1.1,-0.801 -1.1,-1.301
  Layer 1 - Top Layer region: 1.1,0.8 1.9,0.8 1.9,1.3 1.1,1.3
  Layer 1 - Top Layer region: 1.1,-1.301 1.1,-0.801 1.9,-0.801 1.9,-1.301
  body extent -2.25,-1 2.25,1, height 1.16
Net-Tie_10mil [mil] "10mil net tie, no solder mask opening, no solder paste"
  rect 10x10 smd paste-5 mask-5: 1(-10,0) 2(10,0)
  Layer 1 - Top Layer region: -6,5 6,5 6,-5 -6,-5
Net-Tie_10milWide_30milLong [mil] "10mil net tie, no solder mask opening, no solder paste"
  rect 30x10 smd paste-5 mask-5: 1(-15,0) 2(15,0)
Net-Tie_50milWide_30milLong [mil] "50mil net tie, no solder mask opening, no solder paste"
  rect 30x200 smd paste-20 mask-20: 1(-15,0) 2(15,0)
Net-Tie_0805_HV_NoOverlay [mil] "0805_HV pads tied by 10mil copper trace which can be cut.  An 0805 part can be placed on pads."
  rect 50x63 smd paste-25: 1(-40,0) 2(40,0)
  Layer 1 - Top Layer lines w10: -16,0 16,0
  Layer 1 - Top Layer keep-out lines w1: -22,30.91 -22,-30.91 ; -14.96,30.91 14.96,30.91 ; 22,30.91 22,-30.91 ; -14.96,-30.91 14.96,-30.91
PFB0048A_N [mm] "Thin QFP, 48-Leads, Body 7x7mm, Pitch 0.5mm, IPC Medium Density"
  oval 1.45x0.3 smd: 1(-4.225,2.75) 2(-4.225,2.25) 3(-4.225,1.75) 4(-4.225,1.25) 5(-4.225,0.75) 6(-4.225,0.25) 7(-4.225,-0.25) 8(-4.225,-0.75) 9(-4.225,-1.25) 10(-4.225,-1.75) 11(-4.225,-2.25) 12(-4.225,-2.75) 25(4.225,-2.75) 26(4.225,-2.25) 27(4.225,-1.75) 28(4.225,-1.25) 29(4.225,-0.75) 30(4.225,-0.25) 31(4.225,0.25) 32(4.225,0.75) 33(4.225,1.25) 34(4.225,1.75) 35(4.225,2.25) 36(4.225,2.75)
  oval 0.3x1.45 smd: 13(-2.75,-4.225) 14(-2.25,-4.225) 15(-1.75,-4.225) 16(-1.25,-4.225) 17(-0.75,-4.225) 18(-0.25,-4.225) 19(0.25,-4.225) 20(0.75,-4.225) 21(1.25,-4.225) 22(1.75,-4.225) 23(2.25,-4.225) 24(2.75,-4.225) 37(2.75,4.225) 38(2.25,4.225) 39(1.75,4.225) 40(1.25,4.225) 41(0.75,4.225) 42(0.25,4.225) 43(-0.25,4.225) 44(-0.75,4.225) 45(-1.25,4.225) 46(-1.75,4.225) 47(-2.25,4.225) 48(-2.75,4.225)
  silkscreen extent -4.17,-2.75 2.75,3.58, body extent -4.5,-4.5 4.5,4.5, height 1.07
PN0080A_N [mm] "QFP, 80-Leads, Body 12x12mm, Pitch 0.5mm, IPC Medium Density"
  oval 1.45x0.3 smd: 1(-6.725,4.75) 2(-6.725,4.25) 3(-6.725,3.75) 4(-6.725,3.25) 5(-6.725,2.75) 6(-6.725,2.25) 7(-6.725,1.75) 8(-6.725,1.25) 9(-6.725,0.75) 10(-6.725,0.25) 11(-6.725,-0.25) 12(-6.725,-0.75) 13(-6.725,-1.25) 14(-6.725,-1.75) 15(-6.725,-2.25) 16(-6.725,-2.75) 17(-6.725,-3.25) 18(-6.725,-3.75) 19(-6.725,-4.25) 20(-6.725,-4.75) 41(6.725,-4.75) 42(6.725,-4.25) 43(6.725,-3.75) 44(6.725,-3.25) 45(6.725,-2.75) 46(6.725,-2.25) 47(6.725,-1.75) 48(6.725,-1.25) 49(6.725,-0.75) 50(6.725,-0.25) 51(6.725,0.25) 52(6.725,0.75) 53(6.725,1.25) 54(6.725,1.75) 55(6.725,2.25) 56(6.725,2.75) 57(6.725,3.25) 58(6.725,3.75) 59(6.725,4.25) 60(6.725,4.75)
  oval 0.3x1.45 smd: 21(-4.75,-6.725) 22(-4.25,-6.725) 23(-3.75,-6.725) 24(-3.25,-6.725) 25(-2.75,-6.725) 26(-2.25,-6.725) 27(-1.75,-6.725) 28(-1.25,-6.725) 29(-0.75,-6.725) 30(-0.25,-6.725) 31(0.25,-6.725) 32(0.75,-6.725) 33(1.25,-6.725) 34(1.75,-6.725) 35(2.25,-6.725) 36(2.75,-6.725) 37(3.25,-6.725) 38(3.75,-6.725) 39(4.25,-6.725) 40(4.75,-6.725) 61(4.75,6.725) 62(4.25,6.725) 63(3.75,6.725) 64(3.25,6.725) 65(2.75,6.725) 66(2.25,6.725) 67(1.75,6.725) 68(1.25,6.725) 69(0.75,6.725) 70(0.25,6.725) 71(-0.25,6.725) 72(-0.75,6.725) 73(-1.25,6.725) 74(-1.75,6.725) 75(-2.25,6.725) 76(-2.75,6.725) 77(-3.25,6.725) 78(-3.75,6.725) 79(-4.25,6.725) 80(-4.75,6.725)
  silkscreen extent -6.85,-5.6 5.6,5.6, body extent -7,-7 7,7, height 1.56
SNT-100-BK-G [mil] "Samtec STEP model"
  round 1 on Mech3: 0(0,0)
  body extent -100,-50 100,50, height 344
SOD-123 [mm] "On Semi recommended land pattern"
  rect 0.915x1.22 smd: 1(-1.637,0) 2(1.637,0)
  silkscreen extent -2.74,-1.17 2.03,1.17, body extent -1.93,-0.9 1.93,0.9, height 1.35
SOT-23 [mm] "SOT23, 3-Leads, Body 2.9x1.3mm, Pitch 0.95mm, Lead Span 2.5mm, IPC Medium Density"
  rrect50% 1x0.6 smd: 1(-1.2,0.95) 2(-1.2,-0.95) 3(1.2,0)
  silkscreen extent -1.62,-1.5 0.7,1.5, body extent -1.16,-1.45 1.21,1.45, height 1
SOT-89-3 [mm] "SOT, 3-Leads, Body 4.6 x 2.6 mm, Pitch 1.5mm"
  rect 1.4x0.9 smd: 1(-1.9,1.5) 3(-1.9,-1.5)
  rect 1.8x0.9 smd: 2(-1.7,0)
  oct 3.4x1.9 smd: 4(0.9,0)
  silkscreen extent -1.3,-2.45 1.33,2.45, body extent -2.42,-2.28 1.83,2.32, height 1.62
SOT-323 [mm] "Diodes Inc recommended land pattern.  2016-02-24"
  rrect21% 0.6x0.47 smd: 1(-0.95,0.65) 2(-0.95,-0.65) 3(0.95,0)
  silkscreen extent -1.14,-1.22 0.77,1.22, body extent -1.13,-1.13 1.12,1.12, height 1.13
SPARK_GAP2 [mil] "Copied from PADS legacy libraries."
  rect 10x20 smd: 1(0,20) 2(0,-10)
  Layer 1 - Top Layer region: -15,30 -25,30 -25,-30 25,-30 25,30 15,30 15,-20 -15,-20 -15,30
Sullins_PEC06SAAN [mm] "TH, 6-Leads, Body 608x100mil, Pitch 100mil"
  rect 1.5x1.5 hole 1.016: 1(-6.35,0)
  round 1.5 hole 1.016: 2(-3.81,0) 3(-1.27,0) 4(1.27,0) 5(3.81,0) 6(6.35,0)
  silkscreen extent -8.64,-1.27 7.72,1.27, body extent -7.72,-1.27 7.72,1.27, height 8.59
SULLINS_PEC10DAAN [mm] "SULLINS"
  rrect50% 1.55x1.55 hole 1.016: 1(-1.27,11.43)
  round 1.55 hole 1.016: 2(1.27,11.43) 3(-1.27,8.89) 4(1.27,8.89) 5(-1.27,6.35) 6(1.27,6.35) 7(-1.27,3.81) 8(1.27,3.81) 9(-1.27,1.27) 10(1.27,1.27) 11(-1.27,-1.27) 12(1.27,-1.27) 13(-1.27,-3.81) 14(1.27,-3.81) 15(-1.27,-6.35) 16(1.27,-6.35) 17(-1.27,-8.89) 18(1.27,-8.89) 19(-1.27,-11.43) 20(1.27,-11.43)
  silkscreen extent -2.9,-12.7 2.54,12.7, body extent -2.54,-12.7 2.54,12.7, height 8.38
Sullins_PxC05SAAN [mm] "Header, 2.54mm, 5x1, TH"
  rect 1.55x1.55 hole 1.016: 1(-5.08,0)
  round 1.55 hole 1.016: 2(-2.54,0) 3(0,0) 4(2.54,0) 5(5.08,0)
  silkscreen extent -6.35,-1.75 6.35,1.27, body extent -6.35,-1.27 6.35,1.27, height 5.84
Sullins_xxC07SAAN [mm] "Header, 2.54 mm, 7x1, TH"
  rect 1.55x1.55 hole 1.016: 1(-7.62,0)
  round 1.55 hole 1.016: 2(-5.08,0) 3(-2.54,0) 4(0,0) 5(2.54,0) 6(5.08,0) 7(7.62,0)
  silkscreen extent -8.89,-1.27 8.89,1.7, body extent -8.89,-1.27 8.89,1.27, height 8.38
Sullins_xxC11SAAN [mm] "Header, 2.54 mm, 11x1, TH"
  rect 1.55x1.55 hole 1.016: 1(-12.7,0)
  round 1.55 hole 1.016: 2(-10.16,0) 3(-7.62,0) 4(-5.08,0) 5(-2.54,0) 6(0,0) 7(2.54,0) 8(5.08,0) 9(7.62,0) 10(10.16,0) 11(12.7,0)
  silkscreen extent -13.97,-1.27 13.97,1.7, body extent -13.97,-1.27 13.97,1.27, height 8.38
SW_KST221JLFS [mm] "C&K"
  rect 2.8x1 smd: 1(-2.9,2) 2(2.9,2) 3(-2.9,-2) 4(2.9,-2)
  body extent -3.25,-3.25 3.25,3.25, height 5
SW_PTS820 [mm] "SMT, 2-Leads, Body 3.9x2.9mm"
  rect 0.95x1.4 smd: 1(-2.075,0) 2(2.075,0)
  round 0.8 hole 0.8 unplated: MH1(0,0.9) MH2(0,-0.9)
  rect 1.15x0.75 smd: MP1(-1.575,1.525) MP2(1.575,1.525) MP3(1.575,-1.525) MP4(-1.575,-1.525)
  silkscreen extent -2.45,-2.2 2.45,2.2, body extent -2.25,-1.45 2.25,1.45, height 2
TERM_BLK_ED555-2DS [mil]
  rrect4% 100x100 hole 50: 1(0,0)
  round 100 hole 50: 2(138,0)
  silkscreen extent -93,-161 215,113, body extent -69,-150 207,106, height 323
THERMISTOR_103AT-2 [mil] "SEMITEC"
  rect 65x65 hole 35: 1(-50,0)
  round 65 hole 35: 2(50,0)
  body extent -78,-47 79,47, height 338
TP_50MIL-25MILHOLE [mil]
  round 50 hole 25: 1(0,0)
TP_SM_1MM [mm] "1mm Test Point, SMT"
  round 1 smd paste-0.5: 1(0,0)
TP_VIA_060RND040 [mil] "TP_VIA_060RND040"
  round 60 hole 40: 1(0,0)
WEEE_Minimum [mil] "WEEElie bin"
  silkscreen extent -95,-172 99,104
WL-SMCW_GREEN [mm] "WURTH"
  rect 0.8x0.8 smd: 1(-0.8,0) 2(0.8,0)
  silkscreen extent -1.9,-0.8 1.2,0.8, body extent -0.85,-0.45 0.85,0.45, height 0.8
WL-SMCW_RED [mm] "WURTH"
  rect 0.8x0.8 smd: 1(-0.8,0) 2(0.8,0)
  silkscreen extent -1.9,-0.8 1.2,0.8, body extent -0.85,-0.45 0.85,0.45, height 0.8
WURTH_61300211121 [mm] "Header, 2.54mm, 2x1, TH"
  rrect50% 1.65x1.65 hole 1.15: 1(-1.27,0)
  round 1.65 hole 1.15: 2(1.27,0)
  body extent -2.54,-1.27 2.54,1.27, height 8.54